# KiCad board Env-KB60MXHS.kicad_pcb (continued)
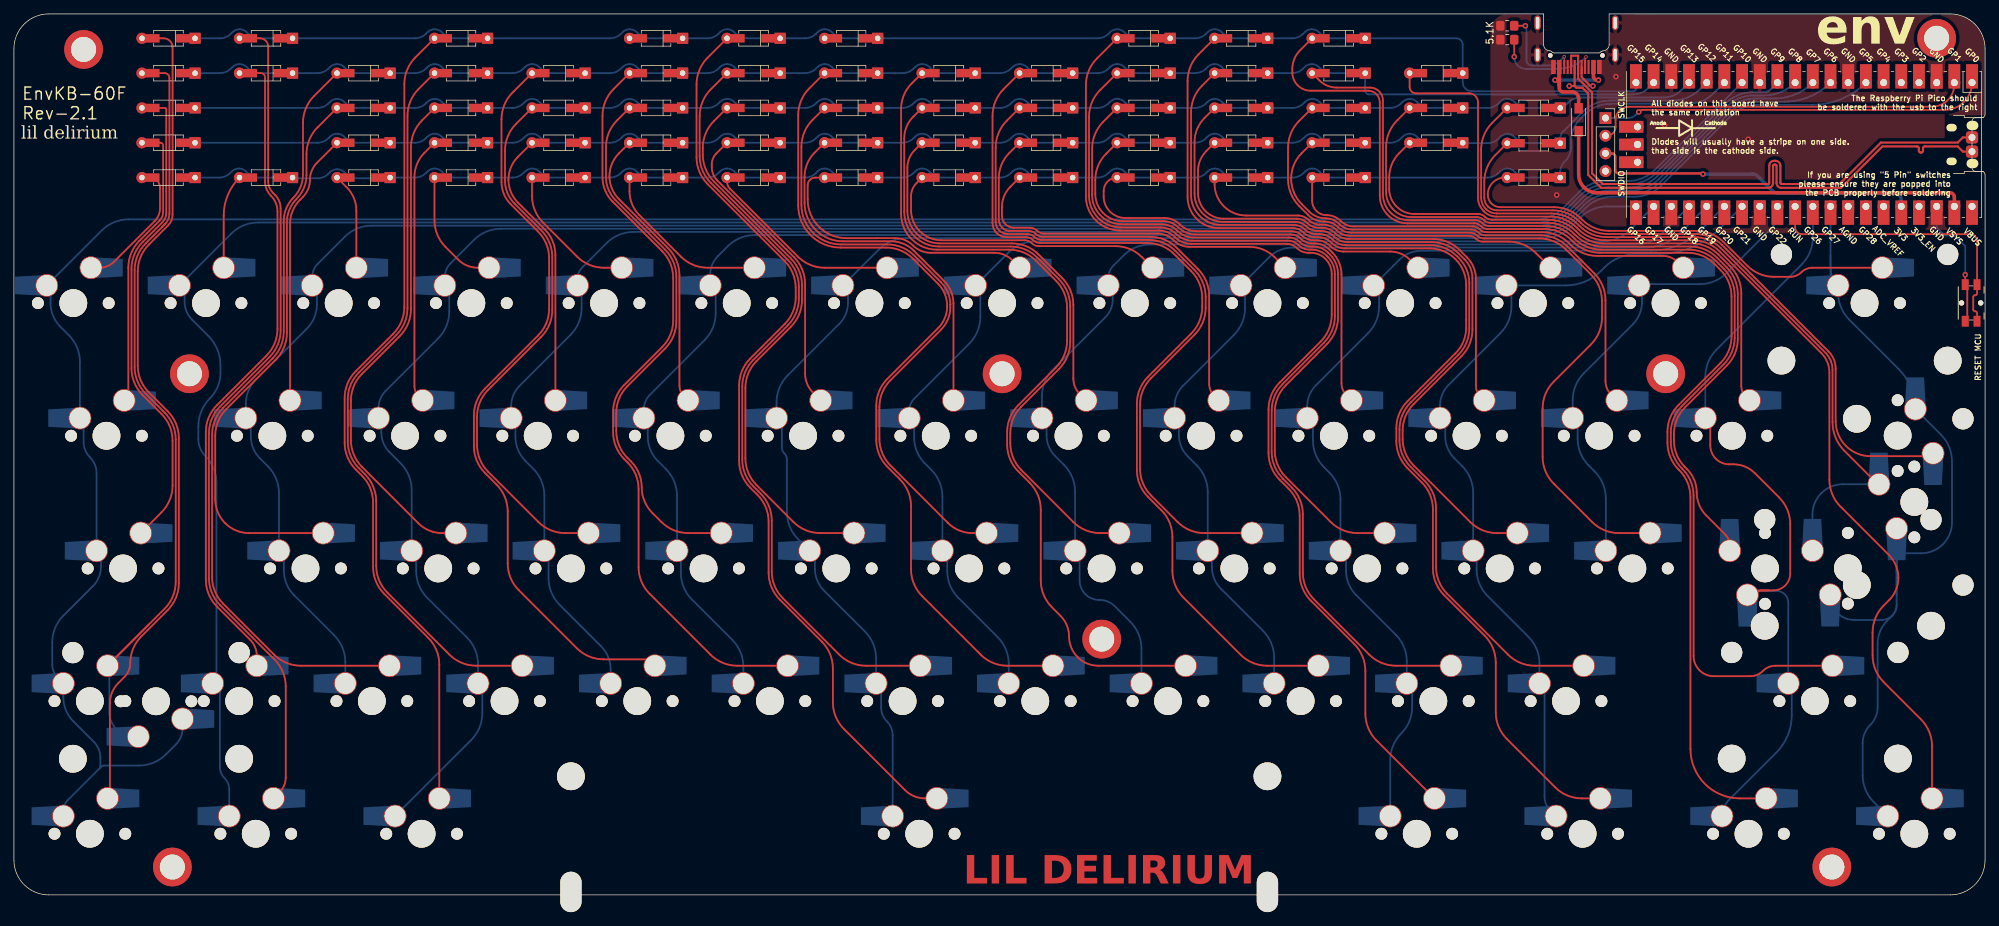
[diagram p0: board, top side]
## Routing (per net, layer and track width the routed paths; a pad name or vN(x,y) marks a point on that pad's centre or on a via; arc(x,y) is an arc through that point) (continued)
col3: length 292.9
  Bottom w0.25: 57.75,48.77 57.75,46.5 arc(58.16,44.42) 59.34,42.66 65.03,36.97 arc(66.21,35.2) 66.63,33.12 66.63,30.37 ; K_32.1 57.1,58.14 arc(56.69,60.23) 55.51,61.99 53.92,63.58 arc(53.05,64.88) 52.75,66.4 52.75,68.06 ; 67.25,29.74 67.25,26.1 arc(66.84,24.02) 65.66,22.25 K_60.1 ; 62.5,86.88 62.5,83.75 arc(62.09,81.67) 60.91,79.91 53.36,72.36 arc(52.6,71.23) 52.34,69.9 ; 61.87,88.69 arc(62.08,89.78) 62.7,90.7 66.06,94.06 arc(67.82,95.24) 69.9,95.65 219.13,95.65 arc(221.21,96.06) 222.97,97.24 225.29,99.56 arc(227.05,100.74) 229.13,101.15 232.28,101.15 arc(234.36,101.56) 236.12,102.74 246.16,112.78 arc(247.9,113.94) 249.95,114.35 252.74,114.35 arc(255.73,114.95) U1.10
col4: length 254.1
  Bottom w0.25: K_33.1 76.15,57.34 arc(75.74,59.43) 74.56,61.19 73.45,62.3 arc(72.38,63.91) 72,65.8 72,67.86 ; 81.5,86.93 81.5,84.25 arc(81.09,82.17) 79.91,80.41 72.6,73.1 arc(71.7,71.76) 71.39,70.18 K_18.1 ; 85.68,30.37 85.68,32.34 arc(85.31,34.17) 84.28,35.72 78.34,41.66 arc(77.16,43.42) 76.75,45.5 76.75,48.82 ; U1.9 arc(257.78,114.61) 254.19,113.9 250.14,113.9 arc(248.08,113.49) 246.34,112.33 236.31,102.29 arc(234.54,101.11) 232.46,100.7 229.32,100.7 arc(227.24,100.29) 225.47,99.11 223.16,96.79 arc(221.39,95.61) 219.31,95.2 88.95,95.2 arc(86.87,94.79) 85.11,93.61 81.59,90.09 arc(81.09,89.34) 80.91,88.47
col5: length 240.5
  Bottom w0.25: K_34.1 95.2,57.29 arc(94.79,59.38) 93.61,61.14 92.47,62.28 arc(91.38,63.91) 91,65.83 91,67.91 ; 95.75,48.87 95.75,46.25 arc(96.16,44.17) 97.34,42.41 103.13,36.62 arc(104.31,34.85) 104.73,32.77 104.73,30.37 ; K_6.1 99.97,89.06 arc(100.25,90.5) 101.06,91.71 102.51,93.16 arc(104.27,94.34) 106.35,94.75 219.39,94.75 arc(221.57,95.19) 223.43,96.42 225.66,98.66 arc(227.42,99.84) 229.51,100.25 232.65,100.25 arc(234.73,100.66) 236.5,101.84 246.53,111.88 arc(248.27,113.04) 250.32,113.45 258.19,113.45 arc(262.36,114.28) U1.7 ; 100.75,86.73 100.75,83.5 arc(100.34,81.42) 99.16,79.66 91.32,71.82 arc(90.67,70.85) 90.44,69.7
col6: length 199.9
  Bottom w0.25: U1.21 228.75,98.86 arc(226.67,98.45) 224.91,97.27 223.69,96.06 arc(221.75,94.76) 219.46,94.3 132.2,94.3 128.05,94.3 arc(125.97,93.89) 124.21,92.71 K_7.1 ; K_20.1 109.49,70.74 arc(109.9,72.82) 111.08,74.58 118.5,82 arc(119.43,83.38) 119.75,85.02 119.75,86.78 ; 124.5,29.64 124.5,26.92 arc(124.72,25.84) 125.33,24.92 arc(125.94,24) 126.16,22.92 K_61.1 ; 115,48.67 115,46.83 arc(115.34,45.14) 116.3,43.7 122.18,37.82 arc(123.36,36.05) 123.78,33.97 123.78,30.37 ; 110.25,67.7 110.25,64.27 arc(110.35,63.79) 110.62,63.38 arc(110.89,62.98) 110.98,62.5 110.98,54.94 arc(111.4,52.86) 112.57,51.09 K_35.1
col7: length 163.9
  Bottom w0.25: U1.22 231.99,95.44 arc(230.23,94.26) 228.15,93.85 146.65,93.85 arc(144.57,93.44) 142.81,92.26 K_8.1 ; 138.75,86.83 138.75,83 arc(138.34,80.92) 137.16,79.16 129.27,71.27 arc(128.73,70.46) 128.54,69.5 ; 129.25,67.75 129.25,65.63 arc(129.64,63.66) 130.75,62 131.71,61.04 arc(132.89,59.28) 133.3,57.19 K_36.1 ; 142.83,30.37 142.83,33.17 arc(142.41,35.25) 141.23,37.02 135.58,42.67 arc(134.41,44.42) 134,46.48 134,48.72
col8: length 152.5
  Bottom w0.25: U1.24 236.52,94.89 arc(234.87,93.79) 232.92,93.4 224.55,93.4 163.15,93.4 arc(161.07,92.99) 159.31,91.81 157.86,90.36 arc(157.31,89.54) 157.12,88.57 ; K_37.1 152.35,57.89 arc(151.94,59.98) 150.76,61.74 149.51,62.99 arc(148.58,64.39) 148.25,66.03 148.25,67.81 ; 153,48.77 153,45.17 arc(153.21,44.09) 153.82,43.17 arc(154.74,42.56) 155.82,42.35 155.9,42.35 arc(157.05,42.12) 158.03,41.47 160.28,39.22 arc(161.46,37.45) 161.88,35.37 161.88,30.37 ; K_22.1 147.59,71.59 arc(148,73.67) 149.18,75.43 156.73,82.98 arc(157.49,84.11) 157.75,85.44 157.75,86.88
col9: length 134.8
  Bottom w0.25: 180.93,30.37 180.93,34.07 arc(180.51,36.15) 179.33,37.92 173.26,43.99 arc(172.33,45.39) 172,47.03 172,48.82 ; K_23.1 166.64,70.18 arc(166.95,71.76) 167.85,73.1 175.16,80.41 arc(176.34,82.17) 176.75,84.25 176.75,86.93 ; 167.25,67.86 167.25,66.05 arc(167.58,64.39) 168.52,62.98 169.81,61.69 arc(170.99,59.93) 171.4,57.84 K_38.1 ; U1.25 239.2,95.03 arc(236.9,93.49) 234.18,92.95 226.95,92.95 183.63,92.95 arc(181.75,92.58) 180.17,91.52 176.16,87.52
col10: length 136.5
  Bottom w0.25: 186.5,67.66 186.5,65.25 arc(186.91,63.17) 188.09,61.41 188.86,60.64 arc(190.04,58.88) 190.45,56.79 K_39.1 ; U1.26 242.16,95.45 arc(238.89,93.27) 235.04,92.5 202.09,92.5 arc(200.34,92.15) 198.86,91.16 198.05,90.35 K_11.1 ; 200.75,29.59 200.75,26.98 arc(200.34,24.92) 199.17,23.17 arc(198.01,21.43) 197.6,19.37 K_62.1 ; 199.98,30.37 199.98,33.52 arc(199.56,35.6) 198.38,37.37 192.71,43.04 arc(191.63,44.66) 191.25,46.56 191.25,48.62 ; K_24.1 185.69,70.2 arc(186.01,71.81) 186.92,73.17 194.42,80.67 arc(195.59,82.42) 196,84.49 196,86.73
col11: length 118.6
  Bottom w0.25: 219.03,30.37 219.03,33.22 arc(218.61,35.3) 217.43,37.07 211.56,42.94 arc(210.41,44.67) 210,46.71 210,48.92 ; K_12.1 222.82,87.52 arc(225.54,88.06) 227.85,89.6 228.35,90.1 arc(230.51,91.54) 233.06,92.05 236.19,92.05 arc(240.91,92.99) 244.91,95.66 U1.27 ; K_40.1 209.5,57.74 arc(209.09,59.83) 207.91,61.59 206.81,62.69 arc(205.84,64.14) 205.5,65.85 205.5,67.7 ; 215,86.78 215,84.5 arc(214.59,82.42) 213.41,80.66 205.99,73.24 arc(205.06,71.86) 204.74,70.23 K_25.1 ; 219.75,29.64 219.75,14.15 arc(219.97,13.06) 220.58,12.14
col12: length 67.1
  Bottom w0.25: 233.75,87.08 233.75,85.17 arc(233.4,83.4) 232.4,81.9 225.38,74.88 arc(224.2,73.12) 223.79,71.04 K_26.1 ; K_41.1 228.55,56.94 arc(228.14,59.03) 226.96,60.79 226.09,61.66 arc(224.91,63.42) 224.5,65.5 224.5,67.75 ; U1.29 253.19,97.72 arc(252.98,96.68) 252.39,95.79 245.89,89.29 arc(244.13,88.11) 242.05,87.7 233.5,87.7
col13: length 112.9
  Top w0.25: 243.55,67.75 243.55,64.55 arc(244.35,62.63) 246.27,61.83 246.87,61.83 arc(248.53,61.5) 249.94,60.56 253.43,57.07 arc(254.61,55.3) 255.02,53.22 255.02,46.15 arc(254.31,44.44) 252.6,43.72 251.95,43.72 ; 251.95,43.72 250.99,43.72 arc(250.56,43.64) 250.19,43.39 ; 251.95,43.72 249.53,43.72
  Bottom w0.25: 249.46,43.65 253.06,43.65 arc(254.25,43.16) 254.75,41.96 254.75,30.37 ; 255.25,29.86 255.25,25.82 arc(254.67,22.89) 253,20.4 246.14,13.54 arc(245.46,12.52) K_64.1 ; K_27.1 242.84,74.44 arc(243.25,76.52) 244.43,78.28 256.68,90.53 arc(257.86,92.29) 258.27,94.37 U1.31
col14: length 126.4
  Bottom w0.25: K_65.1 267.02,13.33 arc(265.84,15.1) 265.43,17.18 265.43,21.78 arc(265.7,23.18) 266.5,24.38 arc(267.3,25.57) 267.57,26.97 267.57,36.08 arc(267.93,37.86) 268.94,39.37 269.67,40.1 ; 271.05,49.05 273.81,49.05 arc(275.51,49.39) 276.95,50.35 arc(277.91,51.79) 278.25,53.49 278.25,62.25 arc(277.84,64.33) 276.66,66.09 K_28.1 arc(272.37,72.85) 270.62,75.48 263.51,82.59 arc(262.31,84.38) 261.89,86.5 ; 270.3,47.77 K_43.1 ; 270.3,47.77 270.3,43.09 ; 270.3,47.77 arc(270.3,47.19) 270.3,46.6 ; 270.3,41.62 270.3,43.09 ; 270.3,41.62 arc(270.14,40.8) 269.67,40.1 ; 270.3,41.62 arc(270.14,40.8) 269.67,40.1 ; 270.3,43.09 270.3,46.6 ; 270.3,46.6 270.3,50.81 ; 260.81,88.59 260.81,91.77 ; 260.81,91.77 260.81,90.12 arc(261.09,88.71) K_14.1 ; 260.81,91.77 U1.32 ; 269.67,40.1 arc(268.98,39.64) 268.15,39.47 264.23,39.47 arc(262.9,39.74) 261.77,40.49
row0: length 237.2
  Bottom w0.25: U1.15 244.05,115.12 arc(242.37,114) 240.38,113.6 229.29,113.6 arc(227.21,113.19) 225.44,112.01 224.93,111.5 arc(223.91,109.96) 223.55,108.16 223.55,107.3 arc(223.35,106.28) 222.77,105.43 222.58,105.23 arc(222.15,104.59) 222,103.83 arc(221.76,103.24) 221.18,103 217.22,103 arc(216.37,103.17) 215.65,103.65 215.42,103.88 arc(214.95,104.19) 214.4,104.3 arc(213.85,104.19) 213.38,103.88 213.15,103.65 arc(212.43,103.17) 211.58,103 189.22,103 arc(188.37,103.17) 187.65,103.65 187.42,103.88 arc(186.95,104.19) 186.4,104.3 arc(185.85,104.19) 185.38,103.88 185.15,103.65 arc(184.43,103.17) 183.58,103 175.22,103 arc(174.37,103.17) 173.65,103.65 173.42,103.88 arc(172.95,104.19) 172.4,104.3 arc(171.85,104.19) 171.38,103.88 171.15,103.65 arc(170.43,103.17) 169.58,103 161.22,103 arc(160.37,103.17) 159.65,103.65 159.42,103.88 arc(158.95,104.19) 158.4,104.3 arc(157.85,104.19) 157.38,103.88 157.15,103.65 arc(156.43,103.17) 155.58,103 147.22,103 arc(146.37,103.17) 145.65,103.65 145.42,103.88 arc(144.95,104.19) 144.4,104.3 arc(143.85,104.19) 143.38,103.88 143.15,103.65 arc(142.43,103.17) 141.58,103 133.22,103 arc(132.37,103.17) 131.65,103.65 131.42,103.88 arc(130.95,104.19) 130.4,104.3 arc(129.85,104.19) 129.38,103.88 129.15,103.65 arc(128.43,103.17) 127.58,103 119.22,103 arc(118.37,103.17) 117.65,103.65 117.42,103.88 arc(116.95,104.19) 116.4,104.3 arc(115.85,104.19) 115.38,103.88 115.15,103.65 arc(114.43,103.17) 113.58,103 105.22,103 arc(104.37,103.17) 103.65,103.65 103.42,103.88 arc(102.95,104.19) 102.4,104.3 arc(101.85,104.19) 101.38,103.88 101.15,103.65 arc(100.43,103.17) 99.58,103 91.22,103 arc(90.37,103.17) 89.65,103.65 89.42,103.88 arc(88.95,104.19) 88.4,104.3 arc(87.85,104.19) 87.38,103.88 87.15,103.65 arc(86.43,103.17) 85.58,103 77.22,103 arc(76.37,103.17) 75.65,103.65 75.42,103.88 arc(74.95,104.19) 74.4,104.3 arc(73.85,104.19) 73.38,103.88 73.15,103.65 arc(72.43,103.17) 71.58,103 63.22,103 arc(62.37,103.17) 61.65,103.65 61.42,103.88 arc(60.95,104.19) 60.4,104.3 arc(59.85,104.19) 59.38,103.88 59.15,103.65 arc(58.43,103.17) 57.58,103 D_3.1 ; 25.9,103 29.48,103 arc(30.33,103.17) 31.05,103.65 31.28,103.88 arc(31.75,104.19) 32.3,104.3 arc(32.85,104.19) 33.32,103.88 33.55,103.65 arc(34.27,103.17) 35.12,103 39.9,103 ; 40,102.9 43.58,102.9 arc(44.43,103.07) 45.15,103.55 45.38,103.78 arc(45.85,104.09) 46.4,104.2 arc(46.95,104.09) 47.42,103.78 47.65,103.55 arc(48.37,103.07) 49.22,102.9 54,102.9
row1: length 230.1
  Bottom w0.25: D_27.1 203.22,108 arc(202.37,108.17) 201.65,108.65 201.42,108.88 arc(200.95,109.19) 200.4,109.3 arc(199.85,109.19) 199.38,108.88 199.15,108.65 arc(198.43,108.17) 197.58,108 189.22,108 arc(188.37,108.17) 187.65,108.65 187.42,108.88 arc(186.95,109.19) 186.4,109.3 arc(185.85,109.19) 185.38,108.88 185.15,108.65 arc(184.43,108.17) 183.58,108 175.22,108 arc(174.37,108.17) 173.65,108.65 173.42,108.88 arc(172.95,109.19) 172.4,109.3 arc(171.85,109.19) 171.38,108.88 171.15,108.65 arc(170.43,108.17) 169.58,108 161.22,108 arc(160.37,108.17) 159.65,108.65 159.42,108.88 arc(158.95,109.19) 158.4,109.3 arc(157.85,109.19) 157.38,108.88 157.15,108.65 arc(156.43,108.17) 155.58,108 147.22,108 arc(146.37,108.17) 145.65,108.65 145.42,108.88 arc(144.95,109.19) 144.4,109.3 arc(143.85,109.19) 143.38,108.88 143.15,108.65 arc(142.43,108.17) 141.58,108 133.22,108 arc(132.37,108.17) 131.65,108.65 131.42,108.88 arc(130.95,109.19) 130.4,109.3 arc(129.85,109.19) 129.38,108.88 129.15,108.65 arc(128.43,108.17) 127.58,108 119.22,108 arc(118.37,108.17) 117.65,108.65 117.42,108.88 arc(116.95,109.19) 116.4,109.3 arc(115.85,109.19) 115.38,108.88 115.15,108.65 arc(114.43,108.17) 113.58,108 105.22,108 arc(104.37,108.17) 103.65,108.65 103.42,108.88 arc(102.95,109.19) 102.4,109.3 arc(101.85,109.19) 101.38,108.88 101.15,108.65 arc(100.43,108.17) 99.58,108 91.22,108 arc(90.37,108.17) 89.65,108.65 89.42,108.88 arc(88.95,109.19) 88.4,109.3 arc(87.85,109.19) 87.38,108.88 87.15,108.65 arc(86.43,108.17) 85.58,108 77.22,108 arc(76.37,108.17) 75.65,108.65 75.42,108.88 arc(74.95,109.19) 74.4,109.3 arc(73.85,109.19) 73.38,108.88 73.15,108.65 arc(72.43,108.17) 71.58,108 63.22,108 arc(62.37,108.17) 61.65,108.65 61.42,108.88 arc(60.95,109.19) 60.4,109.3 arc(59.85,109.19) 59.38,108.88 59.15,108.65 arc(58.43,108.17) 57.58,108 49.22,108 arc(48.37,108.17) 47.65,108.65 47.42,108.88 arc(46.95,109.19) 46.4,109.3 arc(45.85,109.19) 45.38,108.88 45.15,108.65 arc(44.43,108.17) 43.58,108 D_15.1 ; 208.02,107.95 211.6,107.95 arc(212.45,108.12) 213.17,108.6 213.4,108.83 arc(213.87,109.14) 214.42,109.25 arc(214.97,109.14) 215.44,108.83 215.67,108.6 arc(216.39,108.12) 217.24,107.95 222.02,107.95 ; U1.16 242.15,115.76 arc(240.26,114.49) 238.02,114.05 229.1,114.05 arc(227.02,113.64) 225.26,112.46 222.46,109.66 arc(222.13,109.16) 222.01,108.57
row2: length 225.2
  Bottom w0.25: D_29.1 43.58,113 arc(44.43,113.17) 45.15,113.65 45.38,113.88 arc(45.85,114.19) 46.4,114.3 arc(46.95,114.19) 47.42,113.88 47.65,113.65 arc(48.37,113.17) 49.22,113 57.58,113 arc(58.43,113.17) 59.15,113.65 59.38,113.88 arc(59.85,114.19) 60.4,114.3 arc(60.95,114.19) 61.42,113.88 61.65,113.65 arc(62.37,113.17) 63.22,113 71.58,113 arc(72.43,113.17) 73.15,113.65 73.38,113.88 arc(73.85,114.19) 74.4,114.3 arc(74.95,114.19) 75.42,113.88 75.65,113.65 arc(76.37,113.17) 77.22,113 85.58,113 arc(86.43,113.17) 87.15,113.65 87.38,113.88 arc(87.85,114.19) 88.4,114.3 arc(88.95,114.19) 89.42,113.88 89.65,113.65 arc(90.37,113.17) 91.22,113 99.58,113 arc(100.43,113.17) 101.15,113.65 101.38,113.88 arc(101.85,114.19) 102.4,114.3 arc(102.95,114.19) 103.42,113.88 103.65,113.65 arc(104.37,113.17) 105.22,113 113.58,113 arc(114.43,113.17) 115.15,113.65 115.38,113.88 arc(115.85,114.19) 116.4,114.3 arc(116.95,114.19) 117.42,113.88 117.65,113.65 arc(118.37,113.17) 119.22,113 127.58,113 arc(128.43,113.17) 129.15,113.65 129.38,113.88 arc(129.85,114.19) 130.4,114.3 arc(130.95,114.19) 131.42,113.88 131.65,113.65 arc(132.37,113.17) 133.22,113 141.58,113 arc(142.43,113.17) 143.15,113.65 143.38,113.88 arc(143.85,114.19) 144.4,114.3 arc(144.95,114.19) 145.42,113.88 145.65,113.65 arc(146.37,113.17) 147.22,113 155.58,113 arc(156.43,113.17) 157.15,113.65 157.38,113.88 arc(157.85,114.19) 158.4,114.3 arc(158.95,114.19) 159.42,113.88 159.65,113.65 arc(160.37,113.17) 161.22,113 169.58,113 arc(170.43,113.17) 171.15,113.65 171.38,113.88 arc(171.85,114.19) 172.4,114.3 arc(172.95,114.19) 173.42,113.88 173.65,113.65 arc(174.37,113.17) 175.22,113 183.58,113 arc(184.43,113.17) 185.15,113.65 185.38,113.88 arc(185.85,114.19) 186.4,114.3 arc(186.95,114.19) 187.42,113.88 187.65,113.65 arc(188.37,113.17) 189.22,113 197.58,113 arc(198.43,113.17) 199.15,113.65 199.38,113.88 arc(199.85,114.19) 200.4,114.3 arc(200.95,114.19) 201.42,113.88 201.65,113.65 arc(202.37,113.17) 203.22,113 211.58,113 arc(212.43,113.17) 213.15,113.65 213.38,113.88 arc(213.85,114.19) 214.4,114.3 arc(214.95,114.19) 215.42,113.88 215.65,113.65 arc(216.37,113.17) 217.22,113 D_42.1 ; 222.39,113 223.14,113.75 arc(223.97,114.31) 224.95,114.5 236.84,114.5 arc(238.23,114.78) 239.42,115.57 U1.17
row3: length 221.4
  Bottom w0.25: D_43.1 29.58,118 arc(30.43,118.17) 31.15,118.65 31.38,118.88 arc(31.85,119.19) 32.4,119.3 arc(32.95,119.19) 33.42,118.88 33.65,118.65 arc(34.37,118.17) 35.22,118 43.58,118 arc(44.43,118.17) 45.15,118.65 45.38,118.88 arc(45.85,119.19) 46.4,119.3 arc(46.95,119.19) 47.42,118.88 47.65,118.65 arc(48.37,118.17) 49.22,118 57.58,118 arc(58.43,118.17) 59.15,118.65 59.38,118.88 arc(59.85,119.19) 60.4,119.3 arc(60.95,119.19) 61.42,118.88 61.65,118.65 arc(62.37,118.17) 63.22,118 71.58,118 arc(72.43,118.17) 73.15,118.65 73.38,118.88 arc(73.85,119.19) 74.4,119.3 arc(74.95,119.19) 75.42,118.88 75.65,118.65 arc(76.37,118.17) 77.22,118 85.58,118 arc(86.43,118.17) 87.15,118.65 87.38,118.88 arc(87.85,119.19) 88.4,119.3 arc(88.95,119.19) 89.42,118.88 89.65,118.65 arc(90.37,118.17) 91.22,118 99.58,118 arc(100.43,118.17) 101.15,118.65 101.38,118.88 arc(101.85,119.19) 102.4,119.3 arc(102.95,119.19) 103.42,118.88 103.65,118.65 arc(104.37,118.17) 105.22,118 113.58,118 arc(114.43,118.17) 115.15,118.65 115.38,118.88 arc(115.85,119.19) 116.4,119.3 arc(116.95,119.19) 117.42,118.88 117.65,118.65 arc(118.37,118.17) 119.22,118 127.58,118 arc(128.43,118.17) 129.15,118.65 129.38,118.88 arc(129.85,119.19) 130.4,119.3 arc(130.95,119.19) 131.42,118.88 131.65,118.65 arc(132.37,118.17) 133.22,118 141.58,118 arc(142.43,118.17) 143.15,118.65 143.38,118.88 arc(143.85,119.19) 144.4,119.3 arc(144.95,119.19) 145.42,118.88 145.65,118.65 arc(146.37,118.17) 147.22,118 155.58,118 arc(156.43,118.17) 157.15,118.65 157.38,118.88 arc(157.85,119.19) 158.4,119.3 arc(158.95,119.19) 159.42,118.88 159.65,118.65 arc(160.37,118.17) 161.22,118 169.58,118 arc(170.43,118.17) 171.15,118.65 171.38,118.88 arc(171.85,119.19) 172.4,119.3 arc(172.95,119.19) 173.42,118.88 173.65,118.65 arc(174.37,118.17) 175.22,118 183.52,118 arc(184.37,118.17) 185.09,118.65 185.32,118.88 arc(185.79,119.19) 186.34,119.3 arc(186.89,119.19) 187.36,118.88 187.59,118.65 arc(188.31,118.17) 189.16,118 193.46,118 ; U1.19 234.56,115.8 arc(233.63,115.17) 232.52,114.95 194.55,114.95 arc(194.16,115.11) 194,115.5 D_55.1
row4: length 220.3
  Bottom w0.25: D_62.1 207.1,123 arc(207.74,122.74) 208,122.1 D_63.1 208,116.7 arc(208.38,115.78) 209.3,115.4 232.49,115.4 arc(232.64,115.43) 232.76,115.51 arc(232.84,115.63) 232.87,115.78 U1.20 ; 96,123 99.58,123 arc(100.43,123.17) 101.15,123.65 101.38,123.88 arc(101.85,124.19) 102.4,124.3 arc(102.95,124.19) 103.42,123.88 103.65,123.65 arc(104.37,123.17) 105.22,123 113.59,123 arc(114.44,123.17) 115.16,123.65 115.38,123.88 arc(115.85,124.19) 116.41,124.3 arc(116.96,124.19) 117.43,123.88 117.66,123.65 arc(118.38,123.17) 119.23,123 155.58,123 arc(156.43,123.17) 157.15,123.65 157.38,123.88 arc(157.85,124.19) 158.4,124.3 arc(158.95,124.19) 159.42,123.88 159.65,123.65 arc(160.37,123.17) 161.22,123 169.58,123 arc(170.43,123.17) 171.15,123.65 171.38,123.88 arc(171.85,124.19) 172.4,124.3 arc(172.95,124.19) 173.42,123.88 173.65,123.65 arc(174.37,123.17) 175.22,123 183.52,123 arc(184.37,123.17) 185.09,123.65 185.32,123.88 arc(185.79,124.19) 186.34,124.3 arc(186.89,124.19) 187.36,123.88 187.59,123.65 arc(188.31,123.17) 189.16,123 193.62,123 ; D_56.1 29.58,123 arc(30.43,123.17) 31.15,123.65 31.38,123.88 arc(31.85,124.19) 32.4,124.3 arc(32.95,124.19) 33.42,123.88 33.65,123.65 arc(34.37,123.17) 35.22,123 57.58,123 arc(58.43,123.17) 59.15,123.65 59.38,123.88 arc(59.85,124.19) 60.4,124.3 arc(60.95,124.19) 61.42,123.88 61.65,123.65 arc(62.37,123.17) 63.22,123 85.59,123 arc(86.43,123.17) 87.15,123.65 87.38,123.88 arc(87.85,124.19) 88.4,124.3 arc(88.96,124.19) 89.43,123.88 89.65,123.65 arc(90.37,123.17) 91.22,123 95.99,123
RUNPIN: length 42.4
  Top w0.25: SW1.1 281.85,83.55 arc(281.78,83.73) 281.6,83.8 281.55,83.8 arc(281.37,83.87) 281.3,84.05 281.3,85.85 arc(281.37,86.03) 281.55,86.1 281.6,86.1 arc(281.78,86.17) 281.85,86.35 SW1.1 281.85,93.87 arc(281.56,94.58) 280.85,94.87 256.73,94.87 arc(256.02,95.17) 255.73,95.87 U1.30
SCL: length 54.7
  Top w0.25: J1.2 228.69,109.01 arc(229.58,109.38) 229.95,110.27 229.95,111.29 arc(230.5,112.62) 231.83,113.17 275.37,113.17 arc(277.65,114.12) 278.59,116.4
SDA: length 55.3
  Top w0.25: v1(233.27,112.42) 233.43,112.58 arc(233.59,112.69) 233.79,112.72 277.21,112.72 arc(279.98,113.87) U1.1
  Bottom w0.25: v1(233.27,112.42) 232.84,111.99 arc(232.35,111.66) 231.78,111.55 J1.1
USB2_N: length 90.5
  Top w0.3: v1(226.7,116.15) 226.35,116.15 225.07,117.42 USB1.B7 ; 224.07,116.15 v1(223.3,116.15) ; 224.07,116.15 USB1.A7 ; 224.07,116.15 224.32,115.9 225.18,115.9 226.02,115.06 226.02,103.39 227.89,101.53 251.86,101.53 arc(252.36,101.73) 252.56,102.22 252.56,104.71 arc(252.61,104.81) 252.71,104.86 252.91,104.86 arc(253.02,104.81) 253.06,104.71 253.06,102.22 arc(253.27,101.73) 253.76,101.53 262.31,101.53 268.26,107.47 273.25,107.47 arc(273.42,107.4) 273.49,107.23 273.49,106.84 arc(273.56,106.67) 273.73,106.6 273.85,106.6 arc(274.02,106.67) 274.09,106.84 274.09,107.23 arc(274.16,107.4) 274.33,107.47 279.07,107.47 279.81,106.73 U1.TP2
  Bottom w0.3: v1(223.3,116.15) v1(226.7,116.15)
USB2_P: length 84.2
  Top w0.3: U1.TP3 279.81,108.77 279.07,108.03 268.04,108.03 262.09,102.08 253.76,102.08 arc(253.66,102.12) 253.61,102.22 253.61,104.71 arc(253.41,105.2) 252.91,105.41 252.71,105.41 arc(252.22,105.2) 252.01,104.71 252.01,102.22 arc(251.97,102.12) 251.86,102.08 228.11,102.08 226.57,103.61 226.57,115.21 224.57,117.21 USB1.A6 224.57,120.5 223.57,120.5 USB1.B6
VSYS: length 63.3
  Top w0.5: D_64.1 224.65,103.45 arc(224.85,102.44) 225.42,101.59 arc(226.27,101.02) 227.27,100.83 277.96,100.83 arc(278.4,100.64) 278.59,100.19 U1.39
Net-(D_1-A): length 18
  Top w0.25: D_1.2 19.52,103 arc(20.55,102.58) 20.97,101.55 20.97,98.61 arc(20.77,97.6) 20.19,96.74 14.37,90.92 arc(13.42,90.28) 12.29,90.06
Net-(D_2-A): length 13.6
  Top w0.25: 30.11,90.06 30.11,97.53 arc(30.7,100.49) D_2.2
Net-(D_3-A): length 13.9
  Top w0.25: 49.17,90.06 49.17,98.25 arc(48.8,100.07) 47.77,101.61 D_3.2
Net-(D_4-A): length 17.7
  Top w0.25: 68.22,90.06 66.58,90.06 arc(65.07,90.36) 63.79,91.21 61.97,93.03 arc(60.79,94.79) 60.38,96.87 D_4.2
Net-(D_5-A): length 20.6
  Top w0.25: 87.26,90.06 84.7,90.06 arc(82.62,90.47) 80.85,91.65 75.97,96.53 arc(74.79,98.29) 74.38,100.37 D_5.2
Net-(D_6-A): length 25.2
  Top w0.25: 106.31,90.06 99.61,90.06 arc(97.53,90.47) 95.76,91.65 89.78,97.63 arc(88.74,99.18) 88.38,101.01 D_6.2
Net-(D_7-A): length 28.2
  Top w0.25: 125.37,90.06 116.4,90.06 arc(114.32,90.47) 112.56,91.65 102.8,101.41 arc(102.49,101.87) 102.38,102.41
Net-(D_8-A): length 40
  Top w0.25: 144.41,90.06 143.34,91.13 arc(142.15,91.92) 140.75,92.2 131.61,92.2 arc(130.24,92.48) 129.08,93.25 arc(127.91,94.03) 126.53,94.31 123.98,94.31 123.97,94.3 119.51,94.3 arc(115.58,95.93) 113.96,99.85 113.96,101.9 arc(114.04,102.32) 114.28,102.68 arc(114.63,102.92) 115.05,103 D_8.2
Net-(D_9-A): length 43.6
  Top w0.25: D_9.2 129.59,102.21 arc(129.01,101.33) 128.8,100.3 128.8,98.35 arc(130.07,95.28) 133.15,94 145.11,94 arc(145.66,93.89) 146.13,93.58 arc(146.6,93.26) 147.16,93.15 158.18,93.15 arc(160.2,92.75) 161.92,91.6 163.47,90.06
Net-(D_10-A): length 49.8
  Top w0.25: D_10.2 143.04,101.66 arc(142.16,100.34) 141.85,98.78 141.85,97.52 arc(142.35,96.3) 143.57,95.8 145.87,95.8 arc(146.43,95.69) 146.9,95.38 arc(147.37,95.06) 147.92,94.95 164.2,94.95 arc(165.44,94.7) 166.49,94 arc(167.54,93.3) 168.78,93.05 177.39,93.05 arc(179.35,92.66) 181.02,91.55 182.51,90.06
Net-(D_11-A): length 52.8
  Top w0.25: 201.56,90.06 200.4,91.22 arc(199.11,92.08) 197.59,92.38 190.93,92.38 arc(189.87,92.59) 188.97,93.19 arc(188.07,93.79) 187.01,94 186.54,94 arc(185.69,94.17) 184.97,94.65 arc(184.25,95.13) 183.4,95.3 169.71,95.3 arc(168.47,95.55) 167.42,96.25 arc(166.37,96.95) 165.13,97.2 159.55,97.2 arc(157.36,98.11) 156.46,100.3 156.46,101.08 arc(157.02,102.44) D_11.2
Net-(D_12-A): length 54.1
  Top w0.25: 220.62,90.06 218.46,92.21 arc(216.7,93.39) 214.61,93.8 210.9,93.8 arc(210.36,93.91) 209.9,94.22 arc(209.44,94.52) 208.9,94.63 191.86,94.63 arc(190.8,94.84) 189.9,95.44 arc(189.01,96.04) 187.95,96.25 187.47,96.25 arc(186.62,96.42) 185.9,96.9 arc(185.18,97.38) 184.33,97.55 176.92,97.55 arc(173.71,98.88) 172.38,102.09 D_12.2
Net-(D_13-A): length 58.8
  Top w0.25: D_13.2 186.38,99.68 arc(186.99,98.21) 188.46,97.6 188.5,97.6 arc(189.56,97.39) 190.46,96.79 arc(191.36,96.19) 192.42,95.98 209.46,95.98 arc(210,95.87) 210.46,95.56 arc(210.92,95.26) 211.46,95.15 219.44,95.15 arc(221.52,94.74) 223.28,93.56 223.49,93.35 arc(225.26,92.17) 227.34,91.75 236.76,91.75 arc(237.87,91.53) 238.82,90.9
Net-(D_14-A): length 65.1
  Top w0.25: 268.24,90.06 258.2,90.06 arc(257.35,89.89) 256.63,89.4 arc(255.9,88.92) 255.05,88.75 252.7,88.75 arc(250.62,89.16) 248.86,90.34 245.44,93.76 arc(243.68,94.94) 241.6,95.35 229,95.35 arc(226.92,95.76) 225.16,96.94 224.95,97.15 arc(223.18,98.33) 221.1,98.75 213.4,98.75 arc(212.13,99.28) 211.6,100.55 arc(212.32,102.28) 214.05,103
Net-(D_15-A): length 40
  Top w0.25: D_15.2 21.05,108 arc(21.31,107.89) 21.42,107.62 21.42,98.07 arc(21.29,97.39) 20.91,96.82 18.02,93.93 arc(16.84,92.16) 16.43,90.08 16.43,71.6
Net-(D_16-A): length 39.3
  Top w0.25: D_16.2 43.52,105.14 arc(42.77,104.01) 42.5,102.67 arc(42.23,101.34) 41.48,100.2 41.07,99.8 arc(40.01,98.21) 39.64,96.34 K_16.2
Net-(D_17-A): length 37.5
  Top w0.25: D_17.2 58.94,106.56 arc(57.87,104.96) 57.5,103.08 57.5,73.04 arc(57.65,72.26) 58.09,71.6
Net-(D_18-A): length 40.6
  Top w0.25: K_18.2 77.74,91.88 arc(77.34,93.87) 76.22,95.56 72.36,99.41 arc(71.35,100.92) 71,102.7 arc(71.35,104.47) 72.36,105.98 D_18.2
Net-(D_19-A): length 41.3
  Top w0.25: D_19.2 86.86,106.48 arc(85.85,104.97) 85.5,103.2 arc(85.85,101.42) 86.86,99.91 93.96,92.82 arc(95.14,91.05) 95.55,88.97 95.55,73.12 arc(95.71,72.31) 96.17,71.62
Net-(D_20-A): length 43.8
  Top w0.25: K_20.2 114.72,72.13 arc(113.88,73.37) 113.59,74.84 113.59,87.72 arc(113.18,89.81) 112,91.57 100.99,102.58 arc(100.4,103.47) 100.19,104.51 100.19,104.89 arc(100.36,105.74) 100.84,106.46 D_20.2
Net-(D_21-A): length 52.5
  Top w0.25: D_21.2 114.94,106.56 arc(113.88,104.97) 113.51,103.09 113.51,99.38 arc(115.13,95.47) 119.04,93.85 125.97,93.85 arc(127.7,93.51) 129.17,92.52 133.56,88.14 arc(134.54,86.66) 134.89,84.93 K_21.2
Net-(D_22-A): length 54.5
  Top w0.25: D_22.2 129.33,106.95 arc(128.55,105.78) 128.27,104.4 128.27,98.21 arc(129.64,94.92) 132.93,93.55 143.27,93.55 arc(145.35,93.14) 147.11,91.96 150.51,88.57 arc(151.69,86.8) 152.1,84.72 152.1,74.15 arc(152.34,72.94) 153.02,71.93
Net-(D_23-A): length 62.3
  Top w0.25: D_23.2 142.89,106.51 arc(141.79,104.86) 141.4,102.91 141.4,96.97 arc(141.52,96.35) 141.87,95.83 141.91,95.79 arc(142.4,95.46) 142.97,95.35 145.67,95.35 arc(146.22,95.24) 146.69,94.93 arc(147.16,94.61) 147.72,94.5 163.11,94.5 arc(165.19,94.09) 166.95,92.91 170.01,89.85 arc(171.19,88.09) 171.6,86.01 171.6,73.38 arc(171.78,72.47) 172.29,71.7
Net-(D_24-A): length 67
  Top w0.25: D_24.2 156.82,106.44 arc(155.66,104.7) 155.25,102.66 155.25,100.66 arc(156.39,97.89) 159.16,96.75 164.95,96.75 arc(166.19,96.5) 167.24,95.8 arc(168.29,95.1) 169.53,94.85 183.22,94.85 arc(184.07,94.68) 184.79,94.2 arc(185.51,93.72) 186.35,93.55 186.71,93.55 arc(187.88,93.32) 188.87,92.66 189.29,92.24 arc(190.26,90.79) 190.6,89.07 190.6,73.46 arc(190.79,72.52) 191.32,71.72
Net-(D_25-A): length 70.8
  Top w0.25: D_25.2 171.19,106.81 arc(170.31,105.49) 170,103.94 170,100.79 arc(171.08,98.18) 173.69,97.1 184.15,97.1 arc(185,96.93) 185.72,96.45 arc(186.44,95.97) 187.29,95.8 187.76,95.8 arc(188.82,95.59) 189.72,94.99 arc(190.62,94.39) 191.68,94.18 203.77,94.18 arc(205.81,93.77) 207.55,92.61 208.63,91.53 arc(209.57,90.12) 209.9,88.46 209.9,73.04 arc(210.05,72.26) 210.5,71.6
Net-(D_26-A): length 73.7
  Top w0.25: D_26.2 184.88,106.5 arc(183.77,104.83) 183.38,102.87 183.38,102.85 arc(183.77,100.86) 184.89,99.18 185.94,98.13 arc(187.03,97.41) 188.32,97.15 arc(189.38,96.94) 190.28,96.34 arc(191.17,95.74) 192.23,95.53 209.27,95.53 arc(209.81,95.42) 210.27,95.11 arc(210.73,94.81) 211.27,94.7 219.18,94.7 arc(221.27,94.29) 223.03,93.11 226.91,89.23 arc(228.09,87.47) 228.5,85.39 228.5,73.8 arc(228.71,72.73) 229.32,71.83
Net-(D_27-A): length 80.2
  Top w0.25: D_27.2 198.9,106.52 arc(197.83,104.91) 197.45,103.02 197.45,101.38 arc(198.51,98.83) 201.06,97.78 210.21,97.78 arc(210.74,97.67) 211.2,97.36 arc(211.66,97.06) 212.2,96.95 220.35,96.95 arc(222.44,96.54) 224.2,95.36 224.41,95.15 arc(226.18,93.97) 228.26,93.55 240.85,93.55 arc(242.93,93.14) 244.7,91.96 246.41,90.25 arc(247.59,88.49) 248,86.4 248,73.04 arc(248.15,72.26) 248.6,71.6
Net-(D_28-A): length 93.8
  Top w0.25: 275.11,62.99 266.58,62.99 arc(263.02,64.46) 261.55,68.02 261.55,75.57 arc(261.28,76.9) 260.53,78.04 245.26,93.31 arc(243.49,94.49) 241.41,94.9 228.82,94.9 arc(226.74,95.31) 224.97,96.49 224.76,96.7 arc(222.99,97.88) 220.91,98.3 212.93,98.3 arc(212.23,98.44) 211.64,98.84 arc(211.24,99.43) 211.1,100.13 211.1,102.4 arc(211.51,104.48) 212.69,106.24 D_28.2
Net-(D_29-A): length 68.8
  Top w0.25: D_29.2 21.73,113 21.88,112.85 21.88,97.94 arc(21.73,97.21) 21.31,96.59 18.47,93.74 arc(17.29,91.98) 16.88,89.89 16.88,75.63 arc(17.29,73.55) 18.47,71.78 21.18,69.07 arc(22.36,67.3) 22.78,65.22 22.78,58.78 arc(22.36,56.69) 21.18,54.93 K_30.2
Net-(D_30-A): length 80.6
  Top w0.25: D_30.2 43.59,110.21 arc(42.41,108.45) 42,106.37 42,103.35 arc(41.63,101.51) 40.59,99.96 arc(39.56,98.4) 39.19,96.57 39.19,80.71 arc(38.78,78.63) 37.6,76.86 30.49,69.76 arc(29.31,67.99) 28.9,65.91 28.9,56.81 arc(29.27,54.95) 30.32,53.38 arc(31.9,52.32) 33.76,51.95 K_31.2
Net-(D_31-A): length 73.4
  Top w0.25: D_31.2 58.59,111.21 arc(57.41,109.45) 57,107.37 57,84.1 arc(56.59,82.02) 55.41,80.25 49.97,74.82 arc(48.79,73.06) 48.38,70.97 48.38,65.31 arc(48.79,63.22) 49.97,61.46 58.07,53.36 arc(59.63,52.32) 61.46,51.95 K_32.2
Net-(D_32-A): length 78.3
  Top w0.25: D_32.2 72.09,110.71 arc(70.91,108.95) 70.5,106.87 70.5,102.58 arc(70.86,100.78) 71.87,99.26 75.7,95.44 arc(76.88,93.67) 77.29,91.59 77.29,83.98 arc(76.88,81.9) 75.7,80.13 68.08,72.52 arc(66.9,70.75) 66.49,68.67 66.49,64.61 arc(66.9,62.53) 68.08,60.76 75.3,53.55 arc(77.06,52.37) 79.14,51.95 K_33.2
